# Altium PCB ToucanEyePCB.PcbDoc (part 3 of 5)
Units mil, origin at the board's own origin, x right, y up, seen from the top; angles counter-clockwise.
Board outline 2559.06 x 1181.1 mil, 6 copper layers (L1_Top Layer, L2_GND, L3_Signa1, L4_PWR/Signal2, L5_GND, L6_Bottom Layer), stack 35.685 mil thick; 187 components, 181 nets, 773 pads, 479 vias.
Unrouted connection lines stored in the file: 150.
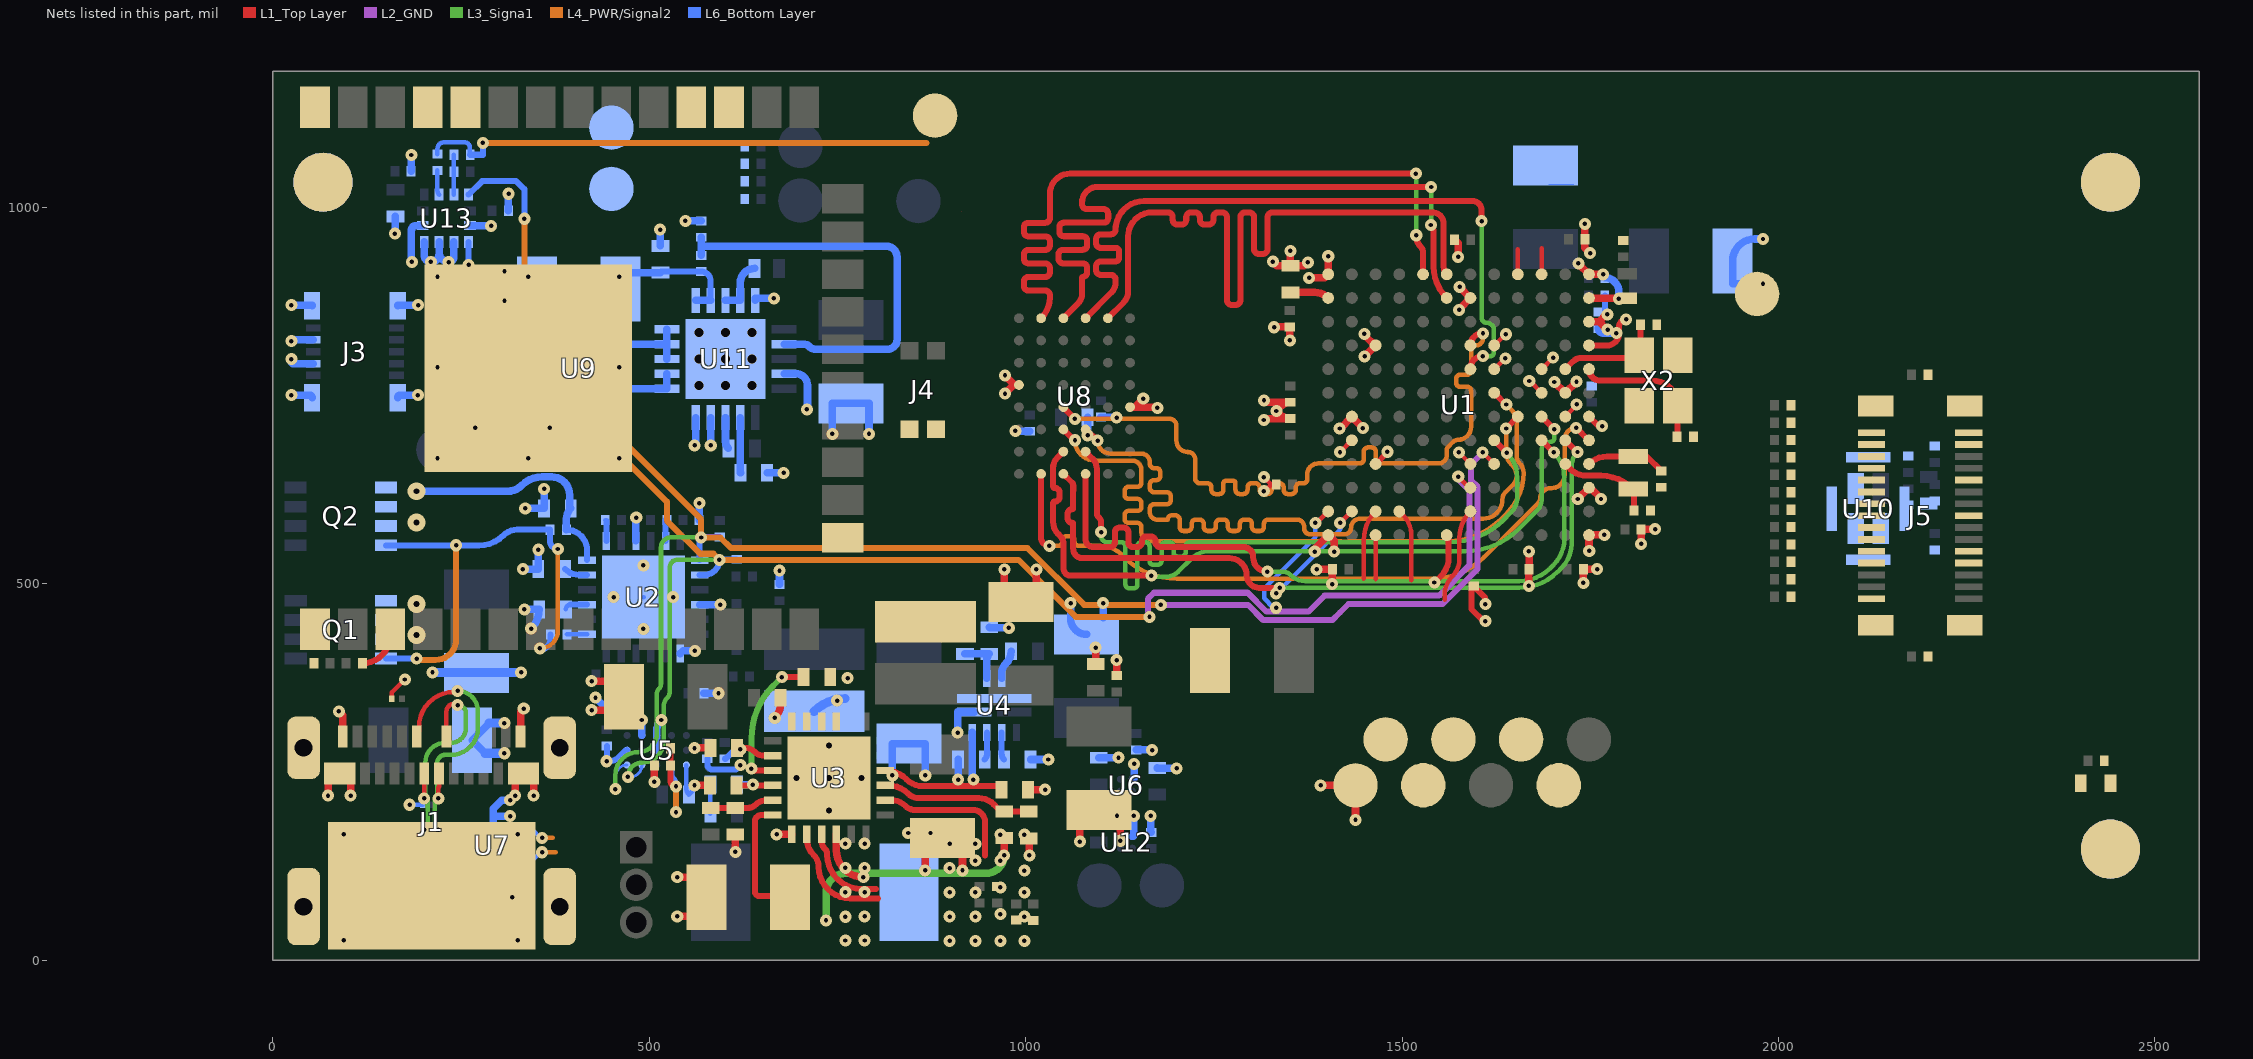
[diagram p7: the nets of this part, all layers, seen from the top]

## Via types
v1: diameter 16, hole 5.91, L5_GND to L6_Bottom Layer, tented both sides, 98 vias
v2: diameter 16, hole 5.91, L1_Top Layer to L2_GND, tented both sides, 93 vias
v3: diameter 16, hole 5.91, L1_Top Layer to L6_Bottom Layer, tented both sides, 72 vias
v4: diameter 16, hole 5.91, L1_Top Layer to L3_Signa1, tented both sides, 60 vias
v5: diameter 16, hole 5.91, L1_Top Layer to L4_PWR/Signal2, tented both sides, 48 vias
v6: diameter 16, hole 5.91, L4_PWR/Signal2 to L6_Bottom Layer, tented both sides, 25 vias
v7: diameter 16, hole 5.91, L3_Signa1 to L6_Bottom Layer, tented both sides, 16 vias
v8: diameter 16, hole 5.91, L2_GND to L6_Bottom Layer, tented both sides, 16 vias
v9: diameter 23.86, hole 7.87, L4_PWR/Signal2 to L6_Bottom Layer, tented both sides, 13 vias
v10: diameter 11.81, hole 11.81, L1_Top Layer to L6_Bottom Layer, 9 vias
v11: diameter 23.86, hole 7.87, L3_Signa1 to L6_Bottom Layer, tented both sides, 7 vias
v12: diameter 23.86, hole 7.87, L1_Top Layer to L3_Signa1, tented both sides, 6 vias
v13: diameter 23.86, hole 7.87, L1_Top Layer to L4_PWR/Signal2, tented both sides, 6 vias
v14: diameter 19.68, hole 7.87, L1_Top Layer to L6_Bottom Layer, 5 vias
v15: diameter 23.86, hole 7.87, L1_Top Layer to L6_Bottom Layer, tented both sides, 4 vias
v16: diameter 16, hole 5.91, L1_Top Layer to L3_Signa1, tented top, 1 vias

## Nets (pads, with @x,y where several pads share a name; then routed paths per layer and width w, separated by ;. In a path a pad name is that pad's centre, name@x,y a point inside that pad or via, vN(x,y) a via of type N, cw(c..) or ccw(c..) an arc to the next point about the centre after c; other vN are vias at no path point) (continued)
DBG_UART_TX: TP1.1 U1.D10 | length 21.3
  L1_Top Layer w8: U1.D10@1464.91,659.25 1465.4,659.25 v3@1480.1,673.95
  other v3: 1480.5,675.5
DC_SCL: R13.1 U1.D5 U2.7 U5.A3 U13.1 | length 2457.7
  L1_Top Layer w6: v2(1607.2,674.55) 1607.2,674.44 U1.D5@1622.39,659.25
  L2_GND w8: v3(1179.7,472.1) 1295.44,472.1 1315.84,451.7 1407.36,451.7 1417.6,461.94 1417.6,462 1428.9,473.3 1553.9,473.3 1600.4,519.8 1600.4,628.84 1591.6,637.64 1591.6,658.95 v2(1607.2,674.55)
  L3_Signa1 w6: v7(455,227.4) 455,245.8 cw(c485.7,245.8) 485.7,276.5 ccw(c485.7,300.9) 510.1,300.9 510.1,353.86 cw(c519.36,353.86) 512.81,360.41 ccw(c505.84,367.38) 515.7,367.38 515.7,548.4 cw(c528.9,548.4) 528.9,561.6 v7(568.9,561.6)
  L4_PWR/Signal2 w8: v6(334.1,985) 334.1,820.4 568.9,585.6 v7(568.9,561.6) 594.6,561.6 608.8,547.4 1002.5,547.4 1077.8,472.1 v3(1179.7,472.1)
  L6_Bottom Layer w4: v7@455,222 v7(455,227.4) 455,243.7 cw(c470.63,243.7) U5.A3@470.63,259.33
  L6_Bottom Layer w8: U13.1@260.21,1017.15 278.07,1035 323.4,1035 334.1,1024.3 v6(334.1,985) ; U2.7@567.1,531.51 567.1,559.8 cw(c569.77,559.8) v7@569.77,562.47 ; R13.1@593.9,562.47 v7@569.77,562.47 ; v7@569.77,562.47 ccw(c569.77,561.6) v7(568.9,561.6) cw(c569.77,561.6) v7@569.77,562.47
DC_SDA: R12.1 U1.C6 U2.8 U5.B3 U13.4 | length 2279
  L1_Top Layer w6: v3(1574.7,642.55) 1574.7,642.25 1587.99,628.96 ccw(c1590.89,631.86) U1.C6@1590.89,627.76
  L2_GND w8: v3(1164.6,456.2) 1162.3,458.5 1162.3,480 1170.5,488.2 1294.9,488.2 1319.8,463.3 1376,463.3 1397,484.3 1549.2,484.3 1589.4,524.5 1589.4,624.28 1574.7,638.98 v3(1574.7,642.55)
  L3_Signa1 w6: v7(471.6,243.5) cw(c490.5,243.5) 490.5,262.4 ccw(c490.5,291) 519.1,291 519.1,336.9 cw(c535.51,336.9) 523.91,348.5 ccw(c515.23,357.18) 527.5,357.18 527.5,522 cw(c537.5,522) 537.5,532 v7(593.3,532)
  L4_PWR/Signal2 w8: v6(260.21,923.71) 260.21,872.59 523.5,609.3 523.5,584.1 567.6,540 585.3,540 v7(593.3,532) 990.6,532 1066.5,456.1 v3@1164.6,456.1
  L6_Bottom Layer w4: v7(471.6,243.5) 474.48,243.5 ccw(c474.48,259.33) U5.B3@490.32,259.33
  L6_Bottom Layer w8: v6(260.21,923.71) U13.4@260.21,954.15 ; U2.8@567.1,511.83 573.13,511.83 ccw(c573.13,532) v7(593.3,532) 593.3,532.67 R12.1@616.2,532.67
DUSB_MCU_N: U1.B12 U7.3 | length 232
  L1_Top Layer w6: v3(1385,581) 1386.65,581 U1.B12@1401.92,596.26
  L4_PWR/Signal2 w6: v6@359.3,145 v6(357.8,143.5) 375.73,143.5
  L6_Bottom Layer w6: U7.3@322.99,133.32 345.48,133.32 355.67,143.5 v6(357.8,143.5) ; v6(1332.8,468.3) 1329.17,468.3 1316.8,480.67 1316.8,493.93 1385,562.13 v3(1385,581)
DUSB_MCU_P: U1.B11 U7.1 | length 208.4
  L1_Top Layer w4.72: v3@1417.79,579.95 1417.79,580.34 1418.3,580.85 v3@1418.15,581
  L1_Top Layer w6: v3@1417.79,580.34 v3(1417.79,581) 1417.79,581.19 1429.86,593.26 1430.41,593.26 U1.B11@1433.41,596.26
  L4_PWR/Signal2 w6: v6@359.3,161 v6(357.8,162.5) 372.1,162.5
  L6_Bottom Layer w6: U7.1@322.99,172.68 345.48,172.68 355.67,162.5 v6(357.8,162.5) ; v6(1332.8,487.3) 1417.79,572.29 v3(1417.79,581)
DUSB_N: J1.A7 J1.B7 U7.4 | length 380.5
  L1_Top Layer w6: v4(201.1,215.1) 201.16,215.1 J1.B7@201.16,248.21 ; J1.A7@230.68,297.42 230.68,330.58 cw(c240.4,330.58) 240.4,340.3 244,340.3 cw(c244,338.8) v4(245.5,338.8)
  L3_Signa1 w6: v7(201.1,173.5) ccw(c201.1,178.5) 206.1,178.5 206.1,210.1 ccw(c201.1,210.1) v4(201.1,215.1) ccw(c201.1,216.6) 202.6,216.6 202.6,262.6 cw(c228.8,262.6) 228.8,288.8 236.6,288.8 ccw(c236.6,308.8) 256.6,308.8 256.6,327.7 ccw(c245.5,327.7) v4(245.5,338.8)
  L6_Bottom Layer w6: v7(201.1,173.5) ccw(c238.28,173.5) 238.28,136.32 252.36,136.32 cw(c252.36,126.07) U7.4@259.61,133.32
DUSB_P: J1.A6 J1.B6 U7.6 | length 406
  L1_Top Layer w6: J1.A6@191.32,297.42 ccw(c184.07,304.66) 194.32,304.66 194.32,310.21 cw(c240.4,310.21) 240.4,356.3 244,356.3 ccw(c244,357.8) v4(245.5,357.8) ; v4(220.1,215.1) 220.1,229.7 cw(c220.84,229.7) 220.84,230.45 J1.B6@220.84,248.21
  L3_Signa1 w6: v7(220.1,173.5) cw(c220.1,178.5) 215.1,178.5 215.1,210.1 cw(c220.1,210.1) v4(220.1,215.1) cw(c220.1,216.6) 218.6,216.6 218.6,262.6 cw(c228.8,262.6) 228.8,272.8 236.6,272.8 ccw(c236.6,308.8) 272.6,308.8 272.6,330.7 ccw(c245.5,330.7) v4(245.5,357.8)
  L6_Bottom Layer w6: v7(220.1,173.5) ccw(c220.91,173.5) 220.91,172.68 U7.6@259.61,172.68
EN1_BATMAN: R42.1 U1.M3 U3.3 | length 154.7
  L1_Top Layer w6: U1.M3@1685.38,911.22 1685.38,945.87
  L1_Top Layer w8: U3.3@728.96,167.38 728.96,158.6 ccw(c743.35,158.6) 733.18,148.42 cw(c725.15,140.4) 736.5,140.4 ccw(c782.2,140.4) 782.2,94.7 801.5,94.7
EN2_BATMAN: R41.1 U1.M4 U3.2 | length 183.2
  L1_Top Layer w6: U1.M4@1653.88,911.22 1653.88,944.47
  L1_Top Layer w8: U3.2@709.28,167.38 709.28,161.93 ccw(c740.43,161.93) 718.4,139.9 718.55,139.75 cw(c702.51,123.7) 725.2,123.7 ccw(c766.6,123.7) 766.6,82.3 803.6,82.3
ESP_PROG_RX: R32.2 TP17.1 U9.34
ESP_PROG_TX: R33.2 TP16.1 U9.35
ESP_RESET: R31.1 U1.F1 U9.3 | length 89.3
  L1_Top Layer w8: R31.1@119.13,394.6 ccw(c119.13,431.51) 156.03,431.51 U9.3@156.03,439.99 ; U1.F1@1748.37,722.25 1761.22,709.4 v3(1765.9,709.4)
GND: C1.1 C2.1 C3.1 C4.1 C6.2 C7.2 C8.2 C9.2 C10.1 C11.2 C12.2 C13.2 C14.2 C15.2 C16.2 C17.2 C19.2 C20.2 C21.1 C22.1 C23.2 C24.2 C25.2 C26.2 C27.2 C28.1 C29.1 C30.2 C31.2 C32.1 C33.1 C34.1 C35.1 C36.1 C37.1 C38.1 C39.1 C40.1 C41.2 C42.1 C43.1 C44.1 C45.2 C46.1 C47.1 C48.1 C49.1 C50.1 C51.1 C52.1 C53.2 C54.2 C55.1 C56.1 C57.1 C58.2 C60.2 C62.1 C63.1 C67.1 C68.1 C69.1 C70.1 C71.1 C72.2 C73.2 C74.1 D2.1 D3.1 FD1.1 FD2.1 FD3.1 FD4.1 FD5.1 FD6.1 J1.1 J1.2 J1.3 J1.4 J1.A1 J1.A12 J1.B1 J1.B12 J1.B13 J3.3 J3.7 J3.11 J4.2 J5.4 J5.10 J5.16 J5.22 J5.29 J5.TP R2.1 R4.1 R18.2 R19.1 R21.1 R25.1 R27.1 R28.1 R29.1 R37.1 R39.1 TP6.1 TP10.1 TP13.1 U1.A1 U1.A7 U1.A12 U1.C1 U1.F11 U1.G2 U1.J10 U1.K1 U1.L6 U1.M1 U1.M12 U2.3 U2.10 U2.13 U2.25 U3.1 U3.4 U3.15 U3.16 U3.25 U4.1 U4.11 U5.B1 U5.C1 U5.C2 U6.A1 U7.2 U8.D1 U8.E6 U9.1 U9.15 U9.38 U9.39 U10.5 U11.4 U11.9 U11.10 U11.20 U11.21 U12.A1 U13.3 U13.5 U13.6 U13.7 U13.8 X2.2 X2.4 | length 5241.1
  L1_Top Layer w0: U1.M12@1401.92,911.22 U1.M12@1401.92,915.45 ; C22.1@1738.37,522.2 C22.1@1741.03,519.55
  L1_Top Layer w6: D2.1@158.35,347.5 158.35,355.85 v2(175.5,373) ; v2(1316.4,623.25) 1317.5,623.25 1326.2,631.95 1326.5,631.95 ; v2(1316.4,641.75) 1316.7,641.75 1326.5,631.95 ; C6.2@1332.87,631.95 1326.5,631.95 ; C12.2@1592.3,494.12 C12.2@1595.2,497.02
  L1_Top Layer w8: v2(1542.9,501.8) 1543.25,501.8 1551.93,510.48 ccw(c1527.86,534.55) 1561.9,534.55 1561.9,558.72 ccw(c1553.35,558.72) U1.A7@1559.4,564.77 ; C12.2@1592.3,494.12 1592.3,466.45 1608.3,450.45 v2(1610.8,450.45) ; C12.2@1595.2,497.02 1610.5,481.72 v2@1610.5,473.05
  L1_Top Layer w10: v2(73.4,218.83) 73.4,248.21 J1.B12@88.95,248.21 103.4,248.21 v2(103.4,218.83) ; v2(87.7,330.5) 92.89,325.31 J1.A1@92.89,297.42 ; v2(321.9,218.83) 321.9,248.21 J1.B1@333.05,248.21 346.5,248.21 v2(346.5,218.83) ; J1.A12@329.11,297.42 329.11,330.01 v2(333.4,334.3) ; v2(423.6,332.3) 448.59,332.3 ccw(c448.59,350.1) C27.2@466.39,350.1 ccw(c445.59,350.1) 445.59,370.9 v2(423.6,370.9) ; v2(506.9,237.1) C44.1@506.87,258.8 ; v2(537.3,58.3) 580.79,58.3 580.79,110.4 v2(537.3,110.4) ; v2(560.2,232.4) 580.38,232.4 R29.1@580.68,232.1 ; v2(560.2,281.8) 560.5,282.1 C11.2@581.38,282.1 ; v2(614.4,144) R27.1@614.4,166.98 ; v2(666.8,322) ccw(c647.93,340.87) 674.62,340.87 C17.2@674.62,348.6 ; v2(669.2,167.2) 669.2,167.38 U3.1@689.59,167.38 ; U3.4@748.65,167.38 748.65,146.35 ccw(c784.5,146.35) v2(784.5,110.5) ; v2(866.5,119.5) 866.5,162.29 C26.2@889.8,162.29 916.2,162.29 v2(916.2,119.5) ; v2(971.9,519.3) 971.9,497.91 ccw(c993.9,497.91) C25.2@993.9,475.91 ccw(c993.9,496.21) 1014.2,496.21 v2(1014.2,519.3) ; v2(972.6,752.65) 984.18,764.23 U8.E6@985.22,764.23 ; v2(972.6,776.85) U8.E6@985.22,764.23 ; U8.E6@991.14,764.23 U8.E6@985.22,764.23 ; R28.1@1003.22,226.6 v2(1025.9,226.6) ; R21.1@1004.3,161.98 1005,161.28 v2(1005,139.4) ; v2(1072.2,157.5) 1072.2,174.39 cw(c1097.5,174.39) C19.2@1097.5,199.69 cw(c1097.5,171.39) 1125.8,171.39 v2(1125.8,158.8) ; C21.1@1093.1,393.52 v2(1093.1,415.4) ; C42.1@1120.9,378.23 v2(1120.9,398.6) ; U8.D1@1138.78,734.7 U8.D1@1145.06,734.7 ; v2(1156.3,745.95) U8.D1@1145.06,734.7 ; v2(1175.1,733.65) 1174.04,734.7 U8.D1@1145.06,734.7 ; v2(1316.7,743.75) 1317.8,743.75 1319.1,742.45 ccw(c1322.06,745.41) 1322.06,741.22 C32.1@1351.7,741.22 ccw(c1351.7,724.5) 1339.88,736.32 v2(1333.2,729.65) 1337.49,725.36 ccw(c1351.7,739.58) C14.2@1351.7,719.48 1324.11,719.48 ccw(c1324.11,713.24) v2@1319.7,717.65 ; v2(1328.5,927.95) 1333.88,922.57 C47.1@1351.7,922.57 ; v2(1330,840.85) 1330.47,841.32 C35.1@1351.1,841.32 v2(1351.1,823.55) ; v2(1351.6,942.25) 1351.6,922.67 C47.1@1351.7,922.57 ; v2(1374.9,927.15) 1370.32,922.57 C47.1@1351.7,922.57 ; v2(1376.5,906.45) 1397.14,906.45 U1.M12@1401.92,911.22 1402,911.31 v2(1402,935.15) ; v2(1384.1,542.75) 1384.1,546.95 U1.A12@1401.92,564.77 1409.7,556.98 v2(1409.7,542.75) ; v2(1386.5,519.15) 1386.9,519.55 C34.1@1407.57,519.55 1407.57,500.02 v2(1407.1,499.55) ; v2(1391.8,232.4) TP10.1@1438.2,232.4 v2(1438.2,186.5) ; v2(1417.2,706.35) 1417.8,706.35 1433.41,721.96 U1.F11@1433.41,722.25 ; U1.F11@1433.2,722.25 U1.F11@1433.41,722.25 ; v2(1448,706.75) 1448,707.66 U1.F11@1433.41,722.25 ; v2(1450.1,831.95) 1450.1,830.55 1463.92,816.73 U1.J10@1464.91,816.73 v2(1450.32,802.15) ; C36.1@1570.1,957.15 C36.1@1569.67,957.15 1574.6,952.22 v2(1574.6,934.45) ; v2(1575.9,863.85) 1575.9,864.73 U1.L6@1590.89,879.73 ; v2(1576.4,894.45) 1576.4,894.22 U1.L6@1590.89,879.73 ; U1.L6@1591.38,879.73 U1.L6@1590.89,879.73 ; U1.L6@1591.58,878.07 cw(c1593.23,879.73) U1.L6@1590.89,879.73 ; v2(1668.6,497.35) 1668.6,519.32 R39.1@1668.83,519.55 1668.83,542.82 v2(1668.6,543.05) ; v2(1702.5,768.12) U1.G2@1716.88,753.74 ; U1.G2@1718.21,753.74 U1.G2@1716.88,753.74 ; v2(1731.8,768.67) U1.G2@1716.88,753.74 ; v2(1733.4,612.75) U1.C1@1748.37,627.76 ; v2(1734.3,925.65) 1734.3,925.29 U1.M1@1748.37,911.22 ; v2(1741,501.35) C22.1@1741.03,519.55 ; C22.1@1741.03,519.55 1741.33,519.85 1741.53,519.65 v2(1759.3,519.65) ; C37.1@1742.93,957.55 v2(1742.9,978.25) ; C37.1@1742.93,957.55 1742.93,946.42 v2(1749.9,939.45) ; U1.M1@1747.9,912.35 1747.6,912.05 U1.M1@1748.37,911.22 U1.M1@1748.37,911.22 ; v2@1748.37,543.95 U1.A1@1748.37,564.77 1748.37,564.95 v2(1768.9,564.95) ; U1.K1@1748.37,848.23 1761.78,848.23 ; U1.C1@1748.92,626.43 cw(c1750.26,627.76) U1.C1@1748.37,627.76 1750.13,627.72 v2@1764.3,613.55 ; v2(1767.1,911.05) 1748.74,911.05 1748.64,910.95 U1.M1@1748.37,911.22 ; v2(1772.8,857.95) 1771.5,857.95 1761.78,848.23 ; v2(1773.1,837.75) 1772.26,837.75 1761.78,848.23 ; v2@1817.63,551.68 v2(1817.63,553.05) C33.1@1817.63,572.25 1818.03,572.65 v2(1836.3,572.65)
  L6_Bottom Layer w0: C13.2@1694.9,1030.96 C13.2@1728.3,1030.96
  L6_Bottom Layer w6: v1(181.7,206.6) 181.7,206.5 D3.1@199.05,206.5 ; U2.25@492.3,482.3 U2.25@492.67,482.3
  L6_Bottom Layer w8: C43.1@577.3,267.7 577.2,267.7 577.2,259.9 ccw(c583.9,259.9) 583.9,253.2 615.2,253.2 v1(621.1,259.1) ; C46.1@600.4,267.7 601.44,267.7 613.94,280.2 v1(621.1,280.2)
  L6_Bottom Layer w10: v1(24.8,750.6) 48.99,750.6 cw(c48.99,747.38) J3.11@52.21,747.38 ; v1@24.8,794.6 26.75,792.65 J3.3@53.78,792.65 ; v1@24.8,820.7 28.25,824.15 J3.7@53.78,824.15 ; v1(24.8,870.3) 51.33,870.3 cw(c51.33,869.42) J3.11@52.21,869.42 ; v1(162.3,965.2) 162.3,964.9 162.9,964.3 C72.2@162.9,987.98 ; J3.11@165.99,747.38 cw(c169.21,747.38) 169.21,750.6 v1(192.8,750.6) ; J3.11@165.99,869.42 cw(c166.87,869.42) 166.87,870.3 v1(193.2,870.3) ; C74.1@183.83,1048 183.83,1069.7 v1(184,1069.7) ; v1(184.8,927.7) 184.2,927.7 184.2,969.5 cw(c190.6,969.5) 190.6,975.9 199.19,975.9 U13.8@199.19,975.81 ; U13.7@201.16,954.15 201.16,936.74 ccw(c210.4,936.74) 210.4,927.5 ccw(c210.4,937.94) 220.84,937.94 220.84,940.36 ; U13.6@220.84,954.15 220.84,940.36 ; U13.5@240.53,954.15 240.53,934.33 cw(c233.7,934.33) v1(233.7,927.5) cw(c233.7,940.36) 220.84,940.36 ; U13.3@262.18,975.81 289.69,975.81 cw(c289.69,974.2) 291.3,974.2 290.9,974.6 291.8,975.5 v1@292.9,975.5 ; v1(268.9,707.1) TP13.1@318.9,707.1 v1(367.8,707.1) ; C31.2@269.89,382.3 C31.2@270.6,381.59 C31.2@271.31,382.3 ; C23.2@282.11,275 C23.2@264.71,292.4 C23.2@287.41,315.1 ; v1(307.8,875.9) 350.79,875.9 C58.2@350.79,891.7 350.79,915.4 v1(307.8,915.4) ; C73.2@312.93,995.4 312.93,1018.2 v1(313.2,1018.2) ; v1(315.3,191.6) 292.8,191.6 ; v1(315.3,212.7) 304.1,212.7 292.8,201.4 292.8,191.6 ; C39.1@317.83,104.4 317.83,83.97 v1(317.9,83.9) ; U7.2@322.99,153 302.9,153 292.8,163.1 292.8,191.6 ; v1(332.2,519.7) C2.1@352.68,519.7 v1(352.68,545.32) ; v1(334.2,466.1) C3.1@353.88,466.1 cw(c317.63,466.1) v1(343.27,440.47) ; v1(335.4,600.2) C1.1@360.38,600.2 v1(360.38,626.18) ; v1(428.7,348.9) 442.84,334.76 ccw(c447.57,339.5) C45.2@447.57,332.8 ; U2.3@482.46,557.1 482.46,587.76 v1(482.8,588.1) ; U5.B1@490.32,298.7 v1(490.32,319.2) ; U5.C2@510,279.02 U5.C1@510,298.7 510,304.46 cw(c534.24,304.46) v1@517.1,321.6 ; v1(514.5,970.6) 514.5,948.82 C4.1@514.9,948.82 ; U2.13@541.51,407.5 545.12,411.1 v1(560.8,411.1) ; v1(548,982.13) R37.1@569.02,982.13 ; v1(560.4,683.9) 562.01,683.9 U11.10@562.01,720.95 ; R19.1@566.33,584.8 566.33,606.93 v1(566.54,607.14) ; U2.10@567.1,472.46 594.46,472.46 v1@594.5,472.5 ; R18.2@572.83,354.5 591.9,354.5 v1(592.1,354.7) ; U11.9@581.7,720.95 581.7,683.9 v1(581.8,683.9) ; C28.1@616.82,233.4 v1(637.8,233.4) ; U11.20@640.76,876.46 640.76,879.1 v1(665.6,879.1) ; C62.1@656.72,647.6 678.3,647.6 v1(678.6,647.3) ; C40.1@673.1,499.23 v1(673.1,517.7) ; U11.4@679.14,779.02 695.18,779.02 cw(c695.18,763.9) 710.3,763.9 710.3,732.7 cw(c709.4,732.7) v1(709.4,731.8) ; v1(743.3,699.2) 743.3,739.79 C60.2@768.1,739.79 792,739.79 v1(792,699.2) ; v1(823,245.5) 823,287.69 C7.2@845.25,287.69 866.7,287.69 v1(866.7,245.5) ; v1(909.7,302.4) 909.7,329.79 U4.1@931.82,329.79 ; R4.1@910.23,266.7 910.23,240.2 v1@910.5,240.2 ; U4.11@928.87,302.7 928.87,240 v1(930.7,240) ; R2.1@951.75,442.32 952.47,441.6 v1(977.9,441.6) ; v1(986.4,703.2) 986.4,702.72 C49.1@1005.7,702.72 ; C10.1@1006.67,266.7 v1(1030.3,266.7) ; v1(1059.9,474.3) 1059.9,453.96 ccw(c1081.05,453.96) C8.2@1081.05,432.81 ; C56.1@1082.32,721.25 1082.32,697.4 v1(1082.5,697.4) ; C67.1@1097.1,191.82 v1(1121.4,191.8) ; C30.2@1097.1,269.03 1123.4,269.03 v1(1123.4,269.2) ; C50.1@1100.1,721.59 1121,721.59 v1(1121,720.9) ; C8.2@1103.1,454.86 v1(1103.1,474.3) ; U12.A1@1141.87,164.55 ccw(c1141.87,166.47) 1143.8,166.47 v1(1143.8,191.8) ; U6.A1@1141.87,240.47 ccw(c1141.87,242.8) 1144.2,242.8 v1(1144.2,260.8) ; C41.2@1146.9,279.57 1168.2,279.57 v1(1168.2,279.1) ; v1(1166.2,191.8) 1166.2,169.93 C68.1@1166.7,169.93 ; C29.1@1174.9,255.42 1174.9,255 v1(1200.6,255) ; C48.1@1761,839.37 ccw(c1767.37,839.37) 1767.37,833 v1(1784.8,833) ; C20.2@1769.33,906.6 cw(c1769.33,887.93) 1788,887.93 v1(1788,878.7) ; v1(1979.5,898.9) 1939.11,898.9 C15.2@1939.11,928.8 cw(c1968.41,928.8) 1968.41,958.1 v1(1979.5,958.1)
  L6_Bottom Layer w12: v1(212.2,382.3) C31.2@269.89,382.3 ; C31.2@271.31,382.3 v1(329.8,382.3) ; C23.2@282.11,275 v1(307.6,275) ; C23.2@287.41,315.1 v1(307.6,315.1)
  other v1: 786.3,26.3 899.1,25.9 966.5,25.9 786.3,58.45 899.1,58.05 966.5,61.37 786.3,90.6 899.1,90.2 966.5,96.83 899.1,122.35 760.6,122.75 786.3,122.75 966.5,132.3 899.1,154.5 760.6,154.9 786.3,154.9 910.5,240 516.1,319.2 492.3,440.1 594.6,472.5 452.9,482.3 531.7,482.3 492.3,524.5 24.8,798.48 24.8,822.42 210,927.7 290.1,975.5
  other v2: 94.3,26.7 325.7,26.7 94.3,167.2 325.7,167.2 749.7,345 763.7,374.8 1610.8,473.05 1748.7,543.95 1764.3,612.75 218.8,666.9 339.4,666.9 460,666.9 1316.6,717.65 218.8,787.5 460,787.5 218.8,908.1 339.4,908.1 460,908.1
  other v8: 760.6,26.3 933.2,25.9 998.3,25.9 760.6,57.8 933.2,58.05 998.3,58.05 760.6,90.6 933.2,90.2 998.5,90.2 998.3,119.2 933.2,132.3 933.2,154.5 966.5,166.8 998.3,166.8 843.9,169.1 873.7,169.1
  other v10: 565.95,763.27 601.38,763.27 636.82,763.27 565.95,798.71 601.38,798.71 636.82,798.71 565.95,834.14 601.38,834.14 636.82,834.14
  other v14: 738.8,198.88 695.5,242.19 738.8,242.19 782.11,242.19 738.8,285.49
INT_BATCHAR: R40.1 U1.G3 U3.8 | length 212.5
  L1_Top Layer w6: v3(1669,769.45) cw(c1669,767.83) 1670.15,768.97 U1.G3@1685.38,753.74
  L1_Top Layer w8: U3.8@813.61,212.66 822.05,212.66 cw(c822.05,186.85) 840.3,205.1 ccw(c853.34,218.14) 853.34,199.7 930.1,199.7 cw(c930.1,183.7) 946.1,183.7 946.1,139.1
JTCK/SWCLK: TP11.1 U1.A10 | length 58.3
  L1_Top Layer w6: 1464.91,506.46 U1.A10@1464.91,564.77
JTDI: TP14.1 U1.B9 | length 96.3
  L1_Top Layer w6: U1.B9@1496.4,596.26 1501.43,591.24 cw(c1474.94,564.75) 1512.4,564.75 1512.4,504.95
JTDO/SWO: TP7.1 U1.B6 | length 126.4
  L1_Top Layer w6: 1556.5,479.05 1556.5,484.59 cw(c1593.58,484.59) 1567.36,510.81 ccw(c1546.02,532.15) 1576.2,532.15 1576.2,560.85 cw(c1626.22,560.85) U1.B6@1590.89,596.26 U1.B6@1590.89,596.26
JTMS/SWDIO: TP8.1 U1.B10 | length 93.9
  L1_Top Layer w6: 1449.2,506.55 1449.2,558.34 cw(c1502.83,558.34) U1.B10@1464.91,596.26